# KiCad board BPS-Leader.kicad_pcb (continued)
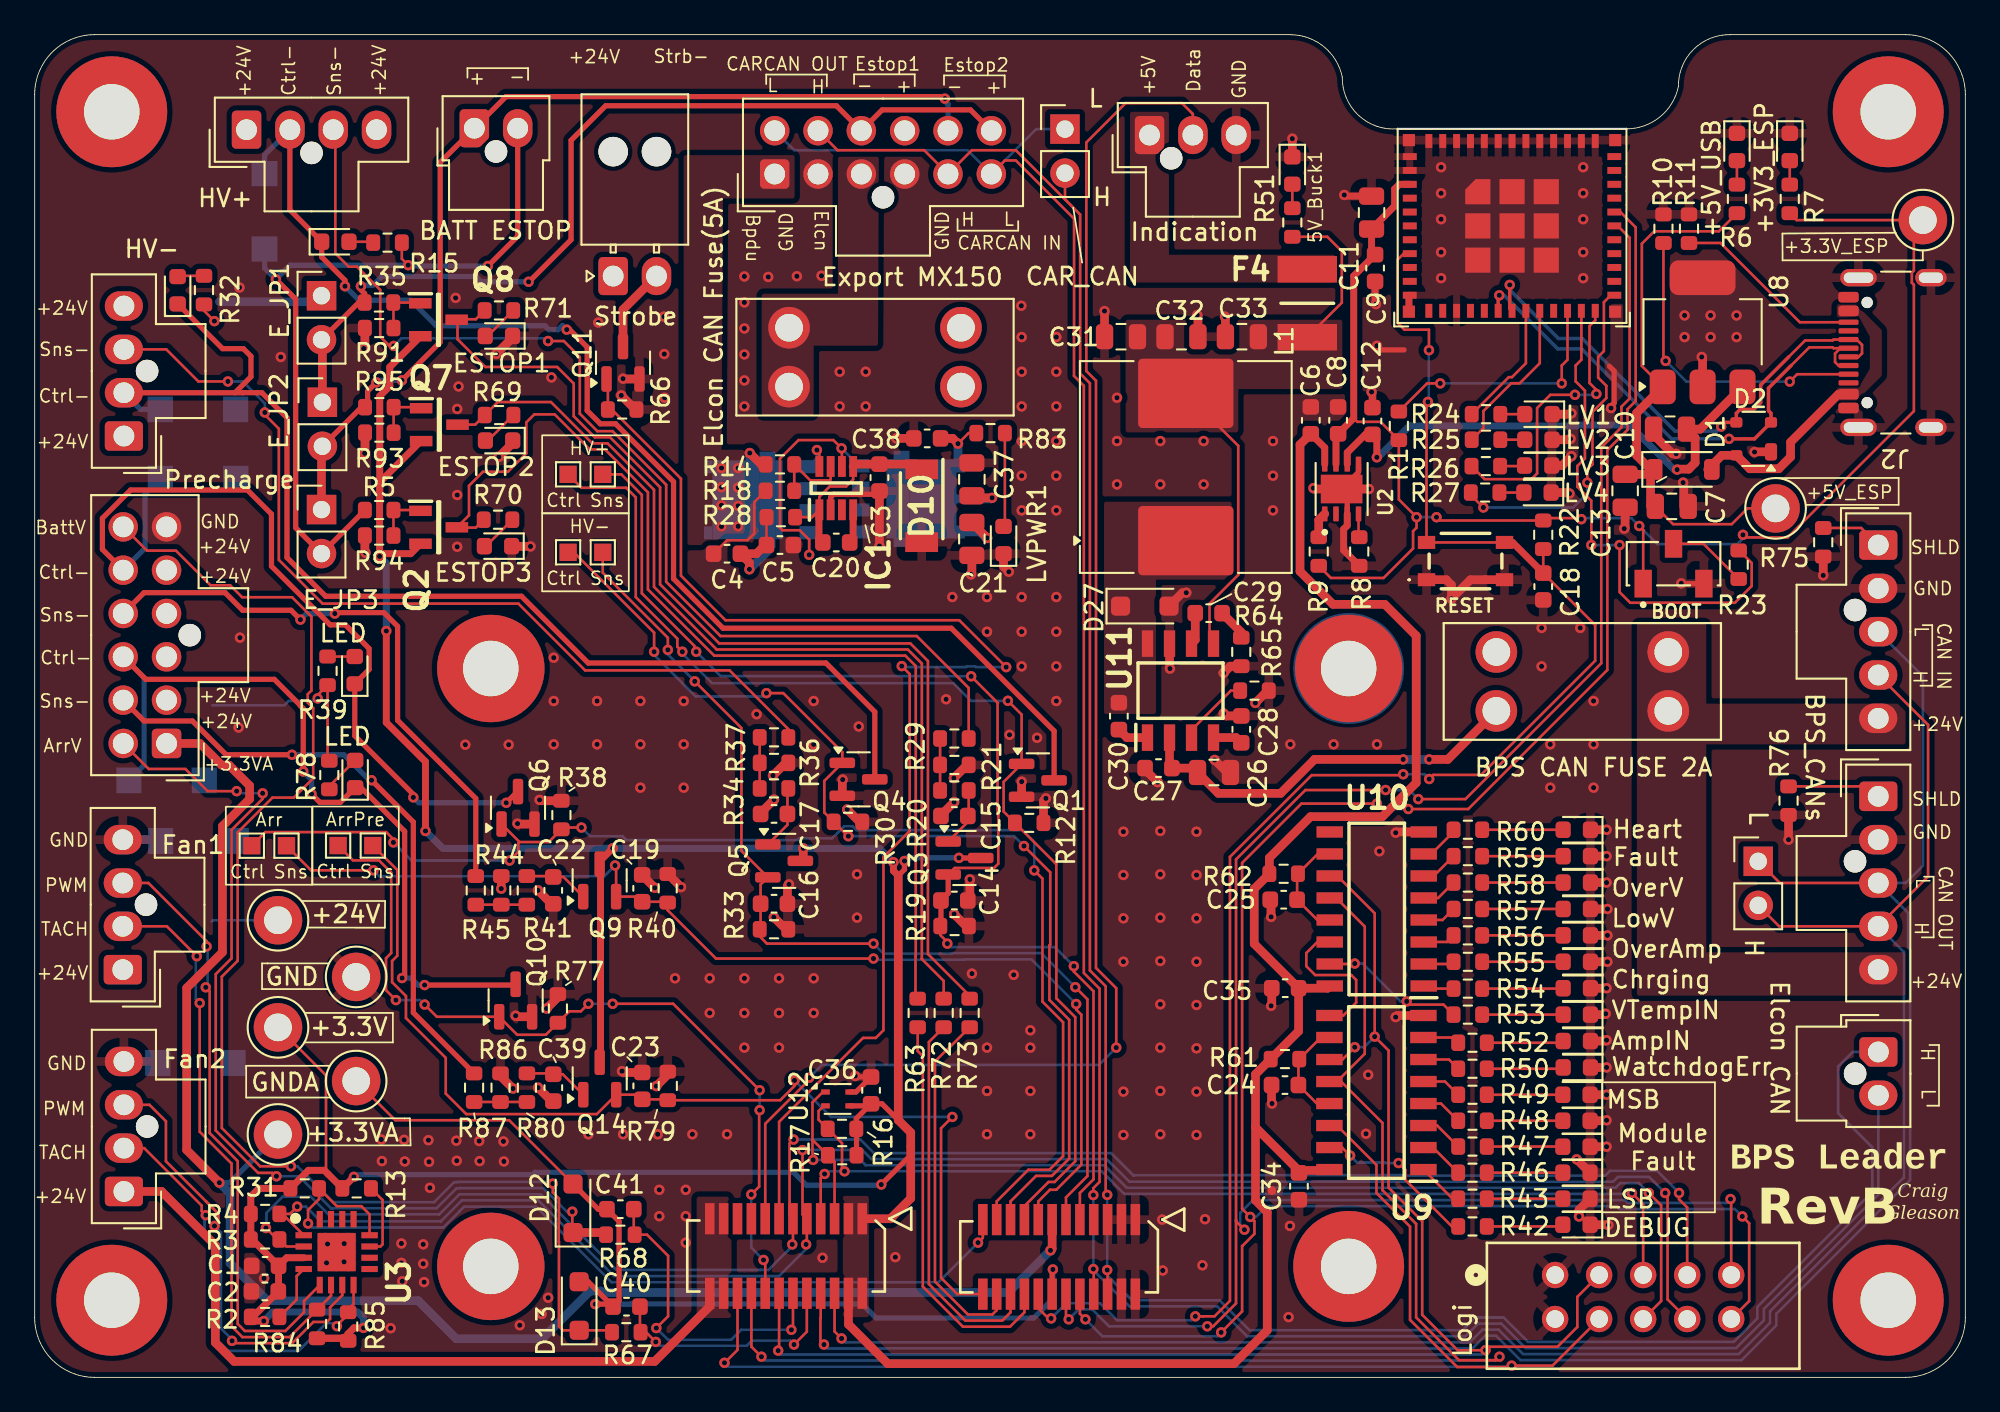
[diagram p0: board, top side]
## Routing (per net, layer and track width the routed paths; a pad name or vN(x,y) marks a point on that pad's centre or on a via; arc(x,y) is an arc through that point) (continued)
GNDA: length 57.6
  Top w0.15: TP5.1 20.81,14.84 27.38,14.84 D12.2
  Top w0.3: J1.38 58.71,6.18 v1(58.75,6.23) ; C40.1 31.94,5.52 D13.2 ; C40.1 33.72,4.42 33.72,9 C41.1 32.51,9.7 D12.2 ; C40.1 33.23,4.23 v1(32.35,4.23)
  Bottom w0.3: v1(32.35,4.23) 34.39,4.23 34.4,4.24 47.74,4.24 48.55,3.43 57.65,3.43 58.75,4.53 v1(58.75,6.23)
/ARRAY_CONTROL: length 74.6
  Top w0.15: J1.45 55.51,10.15 57.33,11.98 58.55,11.98 59.34,12.77 59.34,20.49 58.15,21.68 58.15,28.78 v1(57.68,29.25) ; 27.98,30.89 27.91,30.82 27.91,30.32 v1(27.4,29.82) ; 27.98,30.89 29.66,30.89 R38.2 30.5,31.73 v1(31.55,31.73) ; 27.98,30.89 Q6.1 ; TP13.1 13.32,31.46 20.29,31.46 20.7,31.05 v1(20.7,30.87)
  Bottom w0.15: v1(31.55,31.73) 32.05,31.23 33.93,31.23 34.15,31 44.01,31 44.11,31.1 46.01,31.1 46.71,31.8 47.19,31.8 47.41,31.58 56.98,31.58 57.68,30.88 v1(57.68,29.25) ; v1(20.7,30.87) 21.74,29.82 v1(27.4,29.82)
/ARRAY_CONTROL-: length 48
  Top w0.3: v1(21.85,33.47) 21.85,33.64 18.47,37.02 Array1.1 19.3,40.84 19.3,42.05 17.93,43.42 17.05,43.42 13.66,46.81 13.66,49.81 12.28,51.2 5.54,51.2 3.91,49.57 3.91,47.78 J11.11 ; v1(27.21,33.15) 27.86,33.8 Q6.3
  Bottom w0.3: J11.11 6.37,47.84 6.37,50.97 D8.2 ; v1(27.21,33.15) 22.16,33.15 v1(21.85,33.47)
/ARRAY_PRE_CONTROL: length 48.3
  Top w0.15: v1(22.5,21.51) 23.2,20.81 Q10.1 27.84,19.77 29.5,19.77 R77.2 30.85,21.12 31.52,21.12 v1(31.95,21.56) ; TP16.1 18.36,29.83 19.87,29.83 20.57,29.13 20.57,24.48 20.27,24.19 20.27,22.34 v1(20.84,21.77) ; v1(41.83,16.57) 36.84,21.56 v1(33.35,21.56) ; J1.16 42.15,6.67 v1(42.06,6.77) ; v1(41.35,10.55) 41.8,11 41.8,15.39 v1(41.83,15.42)
  Bottom w0.15: v1(41.83,15.42) v1(41.83,16.57) ; v1(42.06,6.77) 41.35,7.48 v1(41.35,10.55) ; v1(22.5,21.51) 22.24,21.77 v1(20.84,21.77) ; v1(31.95,21.56) v1(33.35,21.56)
/ARRAY_PRE_CONTROL-: length 47
  Top w0.3: v1(15.98,33.66) 16.46,33.18 17.64,33.18 ArrayPre1.1 18.83,34.03 21.35,31.51 21.35,23.19 v1(21.2,23.04) ; v1(22.5,22.64) 27.71,22.64 Q10.3 ; J11.9 6.41,40.28 13.83,40.28 15.33,38.78 15.33,38.76 15.5,38.59 v1(15.5,34.96)
  Bottom w0.3: D9.2 6.31,35.32 6.31,40.37 J11.9 ; v1(22.5,22.64) 22.12,22.64 21.72,23.04 v1(21.2,23.04) ; v1(15.98,33.66) 15.98,34.48 v1(15.5,34.96)
/ARRAY_PRE_SENSE: length 60.5
  Top w0.15: v1(43.84,17.13) 43.84,16.82 43.02,15.99 R79.1 36.48,16.04 C23.2 34.79,16.31 Q14.2 32.43,15.19 24.9,15.19 23.72,16.37 23.72,18.44 21.42,20.73 21.42,22 20.62,22.8 20.62,24.03 20.92,24.33 20.92,29.27 TP17.1 ; v1(52.95,15.03) 52.3,14.37 52.3,5.74 53.24,4.8 J1.48
  Bottom w0.15: v1(52.95,15.03) 45.95,15.03 v1(43.84,17.13)
/ARRAY_PRE_SENSE-: length 35.6
  Top w0.3: v1(14.85,35.93) 11.05,35.93 9.1,37.87 6.31,37.87 J11.8 ; R87.2 21.85,21.04 21.85,32.04 v1(19.44,34.45)
  Bottom w0.3: v1(14.85,35.93) 17.85,35.93 19.32,34.45 v1(19.44,34.45)
/ARRAY_SENSE: length 65
  Top w0.15: J1.39 57.91,10.15 58.58,10.83 58.95,10.83 60.39,12.27 60.39,20.93 60.09,21.22 v1(60.09,21.54) ; v1(48.4,24.17) 39.31,24.17 36.53,26.95 R40.1 36.48,27.44 C19.2 34.76,27.74 Q9.2 33.55,29.48 v1(33.49,29.54) ; v1(19.55,29.26) 15.95,29.26 TP14.1
  Bottom w0.15: v1(60.09,21.54) 57.51,24.12 53.72,24.12 53.69,24.1 48.47,24.1 v1(48.4,24.17) ; v1(33.49,29.54) 32.87,28.92 19.89,28.92 v1(19.55,29.26)
/ARRAY_SENSE-: length 33.7
  Top w0.3: v1(15.33,43.72) 14.79,44.26 12.01,44.26 10.99,45.28 6.31,45.28 J11.10 ; R45.2 25.45,33.4 20.94,37.91 20.94,43.33 20.15,44.12 17.38,44.12 v1(17.32,44.07)
  Bottom w0.3: v1(17.32,44.07) 15.68,44.07 v1(15.33,43.72)
/Array_Voltage: length 18.8
  Top w0.15: C41.2 34.57,8.28 R68.1 35.33,8.23 36.55,7.01 36.55,3.52 v1(35.87,2.84) ; v1(43.66,2.74) 43.75,2.84 J1.12
  Bottom w0.15: v1(43.66,2.74) 40.77,2.74 40.19,2.17 36.54,2.17 v1(35.87,2.84)
/Batt_Voltage: length 14.1
  Top w0.15: v1(35.84,2.04) 35.28,2.61 R67.1 34.92,2.64 C40.2 ; v1(43.81,1.89) 44.55,2.63 J1.10
  Bottom w0.15: v1(35.84,2.04) 36.06,1.82 41.08,1.82 41.38,2.12 43.59,2.12 v1(43.81,1.89)
/BBPDU_LV+: length 13.1
  Top w0.15: R28.1 42.23,48.21 42.28,48.16
  Top w0.5: R14.1 41.91,52.68 v1(41.26,53.34) ; 42.28,48.16 41.64,47.53 C4.1 41.24,47.01 v1(41.24,46.62)
  Bottom w0.5: v1(41.26,53.34) 41.26,51.43 Q13.7 ; v1(41.24,46.62) 42.28,47.67 Q13.8
  vias: v1(39.63,52.47) v1(39.63,51.37) v1(39.63,50.32) v1(39.63,49.09) v1(40.59,52.47) v1(40.59,51.34) v1(40.59,50.29) v1(40.59,49.11)
/BPS_CAN_H: length 109.1
  Top w0.15: TP2.2 100.66,26.03 J16.4 109.25,28.9 109.25,37.65 J15.4 ; J1.6 46.15,2.65 v1(46.56,2.24)
  Bottom w0.15: J16.4 107.86,24.54 107.86,11.53 100.13,3.8 100.13,3.14 98.33,1.34 85.88,1.34 84.47,2.75 83.54,2.75 82.81,2.02 46.78,2.02 v1(46.56,2.24)
/BPS_CAN_L: length 114.3
  Top w0.15: J16.3 100.7,28.53 TP2.1 ; J1.8 45.35,3.42 45.34,3.4 45.34,2.1 v1(45.54,1.89)
  Bottom w0.15: J15.3 108.95,40.45 108.95,29.53 107.95,28.53 J16.3 108.1,26.8 108.1,24.8 108.21,24.69 108.21,11.39 100.49,3.67 100.49,3.01 98.48,0.99 85.73,0.99 84.32,2.4 83.69,2.4 82.96,1.67 46.8,1.67 46.8,1.67 46.32,1.67 46.32,1.67 45.75,1.67 45.54,1.88 v1(45.54,1.89)
/CAR_CAN_H: length 144.7
  Top w0.15: TP3.2 59.45,67.97 59.92,67.5 ; 59.92,67.5 60.32,67.1 60.32,57.92 60.89,57.36 60.89,23.48 61.8,22.57 61.8,10.62 v1(61.89,10.53) ; 59.92,67.5 56.61,70.81 54.07,70.81 J5.5 51.33,70.81 46.33,70.81 J5.8 ; v1(61.88,6.19) 61.91,6.17 J1.30
  Bottom w0.15: J8.1 104.9,18.78 104.06,17.93 104.06,15.24 106.03,13.28 106.03,10.69 99.39,4.06 99.39,3.4 98.04,2.04 86.17,2.04 84.76,3.45 83.13,3.45 82.4,2.72 70.1,2.72 68.37,4.45 63.31,4.45 61.88,5.87 v1(61.88,6.19) 61.88,10.52 v1(61.89,10.53)
/CAR_CAN_L: length 146.3
  Top w0.15: J5.6 55.99,70.22 56.61,70.22 59.97,66.86 59.97,60.3 59.97,60.3 59.97,57.78 60.54,57.22 60.54,23.33 61.45,22.42 61.45,11.28 61.09,10.92 v1(61.09,10.52) ; J1.32 61.11,6.23 v1(61.09,6.25) ; J8.2 106.38,15.74
  Bottom w0.15: J8.2 106.38,10.55 99.78,3.95 99.78,3.29 98.18,1.69 86.03,1.69 84.61,3.1 83.28,3.1 82.55,2.37 69.95,2.37 68.22,4.1 63.17,4.1 61.09,6.18 v1(61.09,6.25) v1(61.09,10.52) ; J5.7 43.83,70.81 53.83,70.81 J5.6 57.79,72.03 TP3.1
/ESP/BOOT: length 29.4
  Top w0.15: v1(91.45,48.03) 91.45,45.31 92.06,44.7 98.11,44.7 99.07,45.66 99.07,46.99 98.35,47.71 R23.2 ; U1.23 89.24,58.72 88.91,58.39 88.91,57.47 89.45,56.93 89.45,53.03 89.01,52.59 89.01,51.39 89.82,50.58 89.82,49.89 89.82,49.89 v1(89.82,48.03)
  Bottom w0.15: v1(91.45,48.03) v1(89.82,48.03)
/ESP/CC1: length 18.1
  Top w0.15: v1(94.11,58.65) 93.98,58.78 R10.1 ; v1(101.27,57.46) 101.69,57.88 J2.A5
  Bottom w0.15: v1(94.11,58.65) 95.3,57.46 v1(101.27,57.46)
/ESP/CC2: length 11.1
  Top w0.15: R11.1 97.28,65.45 101.85,60.88 J2.B5
/ESP/LED1: length 7.4
  Top w0.15: R24.1 85.05,57.71 85.24,57.71 86.05,58.52 U1.19
/ESP/LED2: length 9.4
  Top w0.15: 86.85,61.54 86.85,58.52 85.69,57.36 85.2,57.36 83.59,55.76 83.59,54.78 R25.1
/ESP/LED3: length 16.9
  Top w0.15: U1.24 90.05,60.99 89.71,60.66 89.71,57.38 90.11,56.98 v1(90.11,56.74) ; v1(88.87,56.69) 87.45,56.69 86.69,55.93 86.69,52.16 86.36,51.83 83.66,51.83 R26.1
  Bottom w0.15: v1(88.87,56.69) 90.06,56.69 v1(90.11,56.74)
/ESP/LED4: length 20.1
  Top w0.15: R27.1 82.87,50.91 v1(83.59,50.19) ; v1(89.59,51.63) 89.59,52.38 89.89,52.68 89.89,55.71 90.69,56.51 90.69,57.21 90.21,57.69 90.21,58.89 90.54,59.22 90.54,62.04 90.95,62.44 U1.25
  Bottom w0.15: v1(83.59,50.19) 88.77,50.19 89.59,51.01 v1(89.59,51.63)
/ESP/USB_D+: length 30.1
  Top w0.15: J2.A6 105.23,58.88 105.44,59.08 105.44,59.57 105.13,59.88 J2.B6 103.8,59.88 103.75,59.83 102.16,59.83 101.21,58.88
  Top w0.2: v1(85.11,63.04) 85.11,61.67 U1.18 ; v1(97.31,54.86) 97.55,55.1 D2.3 98.19,55.63 98.41,55.85 99.2,55.85 99.59,56.25 99.59,57.26 101.21,58.88
  Bottom w0.2: v1(97.31,54.86) 97.05,54.6 94.63,54.6 89.3,59.94 87.92,59.94 85.11,62.75 v1(85.11,63.04)
/ESP/USB_D-: length 30.3
  Top w0.15: J2.B7 104.08,58.38 103.88,58.58 103.88,59.07 104.19,59.38 J2.A7 103.8,59.38 103.75,59.43 102.4,59.43 101.35,58.38
  Top w0.2: 101.35,58.38 100.04,57.08 100.04,55.77 100.19,55.63 D2.2 99.24,54.15 v1(97.76,54.15) ; v1(84.51,62.43) 84.45,62.37 84.45,61.54
  Bottom w0.2: v1(84.51,62.43) 84.79,62.43 87.89,59.34 89.26,59.34 94.45,54.15 v1(97.76,54.15)
/ESP_RESET: length 98.9
  Top w0.15: v1(66.97,3.52) 67.42,3.52 68.08,3.52 68.97,4.41 68.97,30.03 73.69,34.75 78.91,34.75 v1(78.96,34.8) ; v1(80.46,34.53) 80.7,34.76 83.45,34.76 90.04,41.35 90.04,43.41 C18.1 R22.2 ; v1(80.39,56.29) 80.31,56.21 SW1.3 SW1.4 ; v1(80.45,59.27) 80.45,60.45 79.03,60.45 78.64,60.84 78.64,64.49 78.99,64.84 79.35,64.84 ; v1(58.65,3.4) 58.5,3.4 57.91,3.99 J1.40
  Top w0.4: SW1.4 85.28,48.18 C18.1
  Bottom w0.15: v1(58.65,3.4) 59.52,4.27 61.47,4.27 62.45,3.3 66.75,3.3 v1(66.97,3.52) ; v1(80.39,56.29) 80.44,56.34 80.44,59.26 v1(80.45,59.27) ; v1(78.96,34.8) 80.19,34.8 v1(80.46,34.53)
/ESP_UART_RX: length 125.6
  Top w0.15: J21.9 97.89,10.25 v1(97.85,10.29) ; v1(69.8,8.52) 69.32,9 69.32,9.09 ; 69.32,9.09 69.32,4.27 68,2.95 v1(67.66,2.95) ; 69.32,9.09 69.32,29.88 73.32,33.89 v1(77.95,33.89) ; U1.30 91.35,66.44 92.03,65.76 92.03,56.48 91.56,56.01 91.56,54.82 90.39,53.65 90.39,41.2 82.56,33.37 v1(79.84,33.37) ; v1(59.66,3.35) 59.51,3.5 J1.36
  Bottom w0.15: v1(69.8,8.52) 69.56,8.76 69.56,9.49 70.3,10.23 83.67,10.23 83.68,10.23 83.69,10.23 91.76,10.23 91.92,10.06 97.63,10.06 v1(97.85,10.29) ; v1(67.66,2.95) 61.99,2.95 61.01,3.92 60.24,3.92 v1(59.66,3.35) ; v1(77.95,33.89) 79.31,33.89 v1(79.84,33.37)
/ESP_UART_TX: length 127.3
  Top w0.15: v1(79.26,32.79) 82.72,32.79 90.74,40.82 90.74,53.51 91.91,54.67 91.91,55.86 92.38,56.33 92.38,66.36 91.5,67.24 U1.31 ; v1(98.53,9.29) 98.93,8.89 98.93,4.4 J21.10 ; v1(77.45,33.1) 73.09,33.1 69.67,29.69 69.67,9.73 v1(70.14,9.26) 70.38,9.02 70.38,8.28 69.67,7.58 69.67,7.58 69.67,3.8 v1(68.46,2.59) ; J1.34 60.31,3.67 v1(60.63,3.35)
  Bottom w0.15: v1(77.45,33.1) 77.76,32.79 v1(79.26,32.79) ; v1(60.63,3.35) 61.61,2.37 68.24,2.37 v1(68.46,2.59) ; v1(70.14,9.26) 70.48,9.26 71.1,9.88 91.29,9.88 91.46,9.71 98.1,9.71 v1(98.53,9.29)
/ESTOP_1-/2+: length 53.9
  Top w0.3: E_JP1.2 18.7,62.02 R35.2 19.04,62.54 18.83,62.75 v1(18.83,62.96) ; v1(28.5,63.22) 28.52,63.22 30.95,65.64 30.95,71.38 32.95,73.38 46.26,73.38 J5.9 48.9,73.13 54,73.13 J5.12
  Top w0.5: E_JP2.1 16.6,59.82 E_JP1.2
  Bottom w0.3: v1(28.5,63.22) 25.78,63.22 25.47,63.52 20.03,63.52 19.52,63.02 18.88,63.02 v1(18.83,62.96)
/ESTOP_1_SENSE: length 20.9
  Top w0.15: R73.2 52.58,18.83 52.55,18.83 51.95,18.23 51.95,5.53 53.85,3.63 55.26,3.63 55.51,3.87 J1.46
/ESTOP_2-: length 56.6
  Top w0.3: E_JP2.2 18.86,55.98 R95.2 19.08,56 19.08,56.09 19.21,56.22 19.21,56.9 v1(19.72,57.41) ; 52.38,73.78 v1(52.52,73.78) 52.4,73.9 27.2,73.9 J10.1 23.4,70.1 23.4,59.73 v1(21.19,57.53)
  Top w0.5: E_JP3.1 16.55,53.67 E_JP2.2
  Bottom w0.3: v1(21.19,57.53) 19.83,57.53 v1(19.72,57.41) ; J5.11 52.7,73.47 52.52,73.65 v1(52.52,73.78)
/ESTOP_2_SENSE: length 22
  Top w0.15: J1.44 56.31,3.75 55.83,3.27 53.7,3.27 51.6,5.38 51.6,19.35 R72.2
/ESTOP_3_SENSE: length 23.3
  Top w0.15: J1.42 57.11,3.75 56.28,2.92 53.56,2.92 51.25,5.24 51.25,18.53 50.95,18.83 R63.2
/ESTOP_OUT: length 45.2
  Top w0.15: v1(21.55,64.17) 21.19,64.54 R15.2
  Top w0.3: J10.2 27.87,65.84 v1(26.15,64.12) ; R5.2 19.05,50.03 16.55,47.53 15.06,49.02 15.06,62.22 v1(13.92,63.36)
  Bottom w0.3: v1(21.55,64.17) 14.74,64.17 v1(13.92,63.36) 13.27,64.01 D5.1 ; v1(26.15,64.12) 21.6,64.12
  Bottom w0.5: 21.6,64.12 v1(21.55,64.17)
/Fan Controller/ADDRESS_PULLUP: length 3.3
  Top w0.15: R2.2 15.12,4.48 15.12,5.84 15.53,6.25
/Fan Controller/CLK_PULLUP: length 4.3
  Top w0.15: U3.11 19.95,7.55 20.08,7.68 20.08,10.23 R13.2
/Fan Controller/FAN_1_PWM: length 35.5
  Top w0.15: U3.5 16.45,5.32 15.54,4.41 15.54,3.75 14.46,2.68 12.13,2.68 11.71,3.09 11.71,12.48 10.1,14.1 10.1,22.28 v1(9.87,22.51) ; v1(9.92,24.86) 9.92,25.16 6.56,28.53 FAN1.3
  Bottom w0.15: v1(9.87,22.51) 9.98,22.61 9.98,24.81 v1(9.92,24.86)
/Fan Controller/FAN_1_TACH: length 34.8
  Top w0.15: U3.6 17.1,4.71 R84.2 14.71,2.32 11.99,2.32 11.36,2.94 11.36,12.33 9.52,14.17 v1(9.52,21.59) ; FAN1.2 7.63,26.03 v1(9.36,24.3)
  Bottom w0.15: v1(9.52,21.59) 9.3,21.82 9.3,24.24 v1(9.36,24.3)
/Fan Controller/FAN_2_PWM: length 26.8
  Top w0.15: FAN2.3 6.63,15.73 7.57,14.78 7.57,12.47 9.88,10.16 ; 10.6,9.44 9.88,10.16 ; 10.6,9.44 9.88,10.16 ; 10.6,9.44 10.6,8.96 v1(10.38,8.74) ; U3.7 17.75,4.74 17.04,4.03 17.04,3.37 16.87,3.2 16.08,3.2 15.13,2.25 15.13,2.25 14.86,1.97 11.52,1.97 v1(11.39,2.11)
  Bottom w0.15: v1(10.38,8.74) 10.75,8.36 10.75,2.83 11.39,2.19 v1(11.39,2.11)
/Fan Controller/FAN_2_TACH: length 24.7
  Top w0.15: v1(9.87,9.36) 9.64,9.59 9.64,9.91 6.32,13.23 FAN2.2 ; U3.8 18.4,4.23 18.07,3.9 18.07,3.63 17.44,3 v1(17.44,2.95)
  Bottom w0.15: v1(17.44,2.95) 17.28,3.12 16.82,3.12 15.23,1.53 11.15,1.53 10.4,2.28 10.4,7.9 9.8,8.5 9.8,9.29 v1(9.87,9.36)
/FAN_ALERT: length 50.5
  Top w0.15: J1.47 54.71,8.05 v1(54.43,7.77) ; U3.12 19.33,9.4 18.85,9.88 17.43,9.88 R31.2 16.41,10.28 15.77,9.65 v1(15.77,8.88)
  Bottom w0.15: v1(15.77,8.88) 16,8.65 23.59,8.65 24.52,9.58 24.52,9.59 24.79,9.86 28.92,9.86 33.29,5.49 52.15,5.49 v1(54.43,7.77)
/FAN_SCL: length 101.4
  Top w0.15: v1(94.88,10.64) 94.88,10.28 95.35,9.81 J21.7 ; v1(13.35,8.62) 14.01,7.96 R3.2 14.53,7.55 15.53,7.55 ; v1(43.79,13.72) 43.56,13.49 43.56,9.35 J1.11 43.75,7.71 v1(43.71,7.67)
  Bottom w0.15: v1(13.35,8.62) 13.38,8.65 13.38,9.49 14.31,10.43 15.93,10.43 16.95,9.41 23.34,9.41 24.5,10.56 29.08,10.56 29.08,10.56 29.21,10.56 30.44,9.32 30.44,9.32 30.78,8.98 30.78,8.98 33.57,6.2 41.39,6.2 41.39,6.2 41.87,6.2 41.87,6.2 42.34,6.2 43.71,7.57 v1(43.71,7.67) ; v1(43.79,13.72) 47.64,13.72 48.43,12.94 62.11,12.94 63.41,11.64 63.44,11.67 79.07,11.67 79.1,11.64 90.62,11.64 90.9,11.92 93.62,11.92 94.88,10.65 v1(94.88,10.64)
/FAN_SDA: length 100.5
  Top w0.15: J21.8 94.22,4.5 94.22,10.5 v1(94.08,10.64) ; v1(44.3,13.11) 44.3,9.4 J1.9 44.55,7.71 v1(44.51,7.67) ; 15.53,8.2 14.3,9.43 R4.2 14.73,9.43 v1(15.15,9.85)
  Bottom w0.15: v1(44.51,7.67) 44.51,7.4 42.95,5.84 33.43,5.84 29.06,10.21 28.93,10.21 28.93,10.21 24.64,10.21 23.44,9.01 23.44,9 16.5,9 15.65,9.85 v1(15.15,9.85) ; v1(94.08,10.64) 93.15,11.56 91.35,11.56 91.07,11.29 76.56,11.29 76.53,11.32 76.5,11.29 63.16,11.29 61.86,12.59 48.28,12.59 47.75,13.12 44.31,13.12 v1(44.3,13.11)
/HTSense_SCL: length 59.5
  Top w0.15: v1(46.73,11.89) 46.58,12.03 46.58,13.51 R16.2 45.23,14.87 45.23,15.37 45.53,15.67 U12.2 ; J21.5 92.81,9.99 v1(92.16,10.64) ; v1(45.58,11.74) 45.35,11.51 J1.7
  Bottom w0.15: v1(45.58,11.74) 45.73,11.89 v1(46.73,11.89) 61.57,11.89 62.87,10.59 71.99,10.59 72,10.58 78.2,10.58 78.21,10.59 92.11,10.59 v1(92.16,10.64)
/HTSense_SDA: length 66.7
  Top w0.15: 44.88,13.71 44.88,15.87 45.48,16.47 U12.1 ; 44.88,13.71 R17.2 46.15,12.43 J1.5 ; 44.88,13.71 44.88,12.59 v1(44.92,12.55) ; J21.6 93.85,4.4 93.85,9.93 v1(93.14,10.64)
  Bottom w0.15: v1(44.92,12.55) 47.64,12.55 47.95,12.24 61.71,12.24 63.02,10.94 69.28,10.94 69.28,10.94 91.22,10.94 91.5,11.21 92.56,11.21 v1(93.14,10.64)
/HV+ Contactor/HV+_CONTROL-: length 73.5
  Top w0.3: J6.2 14.73,67.36 D32.1 16.56,64.65 17.91,63.3 v1(17.91,62.96) ; v1(30.7,60.46) 30.87,60.46 31.88,59.45 31.88,55.78 32.64,55.02 33.52,55.02 36.86,51.68 36.86,46.08 39.72,43.23 52.89,43.23 58.82,37.3 Q1.3
  Bottom w0.3: D5.2 13.27,70.53 J6.2 ; v1(30.7,60.46) 30.46,60.7 30.21,60.45 29.67,60.45 29.45,60.68 23.17,60.68 21.7,62.15 18.71,62.15 v1(17.91,62.96)
/HV+_CONTROL: length 68.3
  Top w0.15: v1(37.37,41.87) 37.08,42.16 37.08,42.62 34.68,45.02 34.68,50.78 34.13,51.33 34.12,51.33 31.56,51.33 TP4.1 ; v1(56.16,39.04) 56.95,38.24 Q1.1 55.91,34.36 55.91,32.65 R12.2 58.93,29.62 58.95,29.62 58.95,21.87 60.04,20.78 60.04,12.47 58.85,11.27 58.5,11.27 57.11,9.88 J1.41
  Bottom w0.15: v1(37.37,41.87) 37.37,41.76 39.08,40.06 53,40.06 54.02,39.04 v1(56.16,39.04)
/HV+_SENSE: length 71.8
  Top w0.15: TP7.1 33.85,52.11 35.03,50.92 35.03,45.24 38.06,42.22 38.06,41.98 v1(38.17,41.87) ; v1(54.04,40.45) 55.58,38.91 55.56,38.89 55.56,32.5 55.6,32.46 55.6,29.64 55.36,29.39 53.09,29.39 Q3.2 ; v1(52.66,25.03) 52.66,25.11 52.25,25.52 R19.1 ; J1.33 60.31,10.64 61.1,11.43 61.1,22.28 59.96,23.41 v1(59.96,23.73)
  Top w0.3: R19.1 52.29,26.08 C14.2 52.71,27.93 Q3.2
  Bottom w0.15: v1(54.04,40.45) 52.02,40.45 52.01,40.46 39.58,40.46 v1(38.17,41.87) ; v1(59.96,23.73) 58.86,24.83 52.86,24.83 v1(52.66,25.03)
/HV- Contactor/HV-_CONTROL-: length 70
  Top w0.3: 11.56,56.82 12.48,57.74 12.48,58.92 12.04,59.36 10.84,59.36 8.25,61.95 ; 11.56,56.82 12.01,56.82 12.01,56.82 12.85,56.82 12.85,56.82 13.11,56.82 14.56,55.37 14.56,47.3 16.79,45.07 28.09,45.07 31.94,41.22 45.66,41.22 48.48,38.4 Q4.3 ; 11.56,56.82 J9.2
  Bottom w0.3: J9.2 6.11,55.86 D6.2
/HV-_CONTROL: length 62.4
  Top w0.15: v1(35.74,41.87) 35.74,42.97 31.11,47.61 TP9.1 ; v1(57.08,30.66) 58.6,29.14 58.6,24.97 58.55,24.93 58.55,21.78 59.69,20.63 59.69,12.62 58.7,11.63 57.78,11.63 56.31,10.15 J1.43 ; v1(42.22,39.48) 43.2,39.48 46.6,36.07 Q4.1 45.56,34.42 45.56,32.59 R30.2 46.93,31.23 v1(46.95,31.23)
  Bottom w0.15: v1(46.95,31.23) 56.52,31.23 v1(57.08,30.66) ; v1(42.22,39.48) 42.03,39.29 38.14,39.29 35.74,41.69 v1(35.74,41.87)
/HV-_SENSE: length 60
  Top w0.15: J1.35 59.51,10.38 60.74,11.62 60.74,21.81 v1(60.05,22.51) ; v1(48.4,25.03) 42.25,25.03 41.84,25.44 R33.1 41.89,25.9 C16.2 41.89,28.43 Q5.2 40.78,30.38 40.78,37.47 v1(38.09,40.16) ; TP11.1 32.78,46.43 36.53,42.67 v1(36.53,41.98)
  Bottom w0.15: v1(38.09,40.16) 36.53,41.71 v1(36.53,41.98) ; v1(48.4,25.03) 48.98,24.45 52.9,24.45 52.92,24.47 58.09,24.47 v1(60.05,22.51)
/Indication Board Connection/ROSC: length 4.2
  Top w0.15: R65.1 69.02,39.62 66.75,37.35 U11.3
/INDICATION_BOARD_CONNECTION: length 89.1
  Top w0.15: v1(44.69,17.29) 44.69,17.16 42.15,14.63 J1.15 ; v1(62.41,19.03) 62.41,22.45 61.24,23.62 61.24,57.51 60.68,58.07 60.68,71.25 62.95,73.53 66.2,73.53 66.83,72.9 J18.2
  Bottom w0.15: v1(44.69,17.29) 45.42,18.03 61.41,18.03 v1(62.41,19.03)
/LED_RCLK: length 81.5
  Top w0.15: v1(84.52,1.19) 84.32,0.99 82.18,0.99 79.71,3.46 79.71,8.85 77.77,10.79 77.77,14.68 75.38,17.07 U9.12 75.14,17.07 76.74,18.67 76.74,26.01 75.1,27.66 74.73,27.66 ; v1(41.93,1.19) 41.35,1.77 J1.18
  Bottom w0.15: 84.3,0.97 84.21,0.97 ; 84.21,0.97 84.3,0.97 v1(84.52,1.19) ; 84.21,0.97 42.16,0.97 v1(41.93,1.19)
/LED_SER: length 76.4
  Top w0.15: v1(39.8,0.84) 39.81,0.84 40.55,1.58 J1.20 ; U9.14 75.14,14.53 77.42,12.25 77.42,10.64 79.36,8.7 79.36,3.32 82.08,0.59 85.14,0.59 v1(85.22,0.68) 87.58,0.68 J21.4
  Bottom w0.15: v1(85.22,0.68) 85.16,0.62 40.03,0.62 v1(39.8,0.84)
/LED_SRCLK: length 89.3
  Top w0.15: 74.73,28.93 75.16,28.93 77.32,26.78 v1(77.32,19.66) 78.12,18.86 78.12,10.94 80.06,9 80.06,3.61 82.1,1.57 v1(83.71,1.57) 83.91,1.77 87.87,1.77 89.01,2.91 89.01,4.65 J21.3 ; U9.11 75.46,18.34 v1(76.17,19.05) ; v1(42.9,1.54) 42.95,1.6 J1.14
  Bottom w0.15: v1(77.32,19.66) 76.71,19.05 v1(76.17,19.05) ; v1(42.9,1.54) 42.9,1.37 42.96,1.32 83.48,1.32 83.48,1.34 v1(83.71,1.57)
/POWER/RPP_EN: length 11.6
  Top w0.15: R28.2 44.85,49.63 IC1.1 45.28,50.81 45.87,51.4 46.82,51.4 47.23,51.81 IC1.5
  Top w0.4: C20.1 45.25,48.4 45.25,50.06
  Top w0.5: 51.18,52.32 50.8,52.69 C3.2 47.36,52.69 IC1.5
/STROBE_CONN_3.3V: length 75.9
  Top w0.15: Q11.1 33.07,57.53 R66.1 33.3,55.85 37.29,51.86 37.29,46.26 39.86,43.69 53.35,43.69 v1(56.06,40.98) ; J1.13 42.95,14.74 47.8,19.59 48.53,19.59 48.97,20.02 48.97,30.01 50.49,31.52 50.49,40.58 v1(50.03,41.04)
  Bottom w0.15: v1(56.06,40.98) 54.32,40.98 54.27,41.03 53.8,41.03 53.75,40.98 50.09,40.98 v1(50.03,41.04)
Net-(5V_Buck1-A): length 1.4
  Top w0.15: R51.2 5V_Buck1.2
Net-(Array1-A): length 1.6
  Top w0.15: Array1.2 18.47,41.59 R39.1
Net-(ArrayPre1-A): length 2.3
  Top w0.15: R78.1 17,34.11 ArrayPre1.2
Net-(C29-Pad2): length 1.9
  Top w0.5: R64.1 69.62,42.99 C29.2
Net-(D3-A): length 1.4
  Top w0.15: R6.2 D3.2
Net-(D11-A): length 1.4
  Top w0.15: R7.2 D11.2
Net-(D12-K): length 56.6
  Top w0.15: v1(13.16,33.7) 13.16,33.38 11.36,31.59 11.36,24.18 10.45,23.26 10.45,14.24 12.89,11.8 13.71,11.8 13.91,11.6 v1(13.95,11.6) ; v1(11.65,33.82) 9.98,33.82 8.7,35.1 6.58,35.1 J11.7 ; D12.1 31.02,8.4 v1(31.02,9.56)
  Top w0.5: R68.2 32.84,8.35 D12.1
  Bottom w0.15: 17.09,9.76 17.2,9.76 ; 17.09,9.76 17.2,9.76 ; 17.09,9.76 15.25,11.6 v1(13.95,11.6) ; 17.2,9.76 23.2,9.76 24.35,10.91 24.55,10.91 24.56,10.92 29.34,10.92 30.7,9.56 v1(31.02,9.56) ; v1(13.16,33.7) 11.78,33.7 v1(11.65,33.82)
Net-(D13-K): length 78.6
  Top w0.15: v1(14.79,12.18) 13.01,12.18 10.8,14.39 10.8,23.12 11.71,24.03 11.71,31.45 13.72,33.45 14.95,33.45 16.07,34.57 16.07,38.62 15.75,38.94 15.75,39.41 15.97,39.63 15.97,43.9 14.85,45.02 11.97,45.02 11.28,45.7 10.15,45.7 8.15,47.7 6.48,47.7 J11.12 ; v1(29.9,11.18) 29.9,10.67 30.25,10.31 30.25,8.89 30.24,8.88 30.24,7.83 30.25,7.82 30.25,2.95 30.48,2.72 D13.1 33.2,2.72 R67.2
  Bottom w0.15: v1(14.79,12.18) 15.17,12.18 17.24,10.11 23.05,10.11 24.21,11.26 24.41,11.26 24.42,11.27 29.8,11.27 v1(29.9,11.18)
Net-(D14-A): length 4.4
  Top w0.15: D14.2 88.08,8.71 R42.2
Net-(D15-A): length 4.4
  Top w0.15: R43.2 D15.2
Net-(D16-A): length 4.4
  Top w0.15: R46.2 D16.2
Net-(D17-A): length 4.4
  Top w0.15: D17.2 88.16,13.32 R47.2
Net-(D18-A): length 4.4
  Top w0.15: R48.2 D18.2
Net-(D19-A): length 4.4
  Top w0.15: R49.2 D19.2
Net-(D20-A): length 4.4
  Top w0.15: R50.2 88.12,17.81 D20.2
Net-(D21-A): length 4.4
  Top w0.15: D21.2 88.1,19.31 R52.2
Net-(D22-A): length 4.7
  Top w0.15: R53.2 D22.2
Net-(D23-A): length 4.7
  Top w0.15: D23.2 88.17,22.43 R54.2
Net-(D24-A): length 4.7
  Top w0.15: R55.2 D24.2
Net-(D25-A): length 4.7
  Top w0.15: R56.2 D25.2
Net-(D26-A): length 4.7
  Top w0.15: R57.2 D26.2
Net-(D28-A): length 4.7
  Top w0.15: R59.2 D28.2
Net-(D29-A): length 4.7
  Top w0.15: R60.2 D29.2
Net-(D30-A): length 4.7
  Top w0.15: R58.2 D30.2
Net-(D31-A): length 1.5
  Top w0.15: R32.1 8.29,63.56 8.25,63.52
Net-(D32-A): length 1.4
  Top w0.15: D32.2 19.48,65.53 R15.1
Net-(ESTOP1-A): length 2.2
  Top w0.15: R71.2 26.14,60.09 ESTOP1.2
Net-(ESTOP2-A): length 2.2
  Top w0.15: R69.2 26.15,54.05 ESTOP2.2
Net-(ESTOP3-A): length 2.2
  Top w0.15: R70.2 26.04,47.96 ESTOP3.2
Net-(IC1-GATE): length 14.9
  Top w0.15: IC1.6 46.58,53.59 v1(46.56,53.61) 46.08,54.08 44.07,54.08 43,53.01 43,49.03 43.15,48.88 44.15,48.88 44.69,48.34 v1(44.69,47.46)
  Bottom w0.15: Q12.4 47.57,52.59 v1(46.56,53.61) ; Q13.4 44.69,48.67 v1(44.69,47.46)
Net-(IC1-OV): length 4.8
  Top w0.15: R18.1 R14.2 44.75,51.76 45.87,51.76 45.93,51.81 IC1.7
Net-(IC1-SRC): length 2.2
  Top w0.15: IC1.8 45.28,53.36 v1(45.14,53.51)
  Bottom w0.15: v1(45.14,53.51) 45.14,53.05 Q13.1
Net-(IC1-VCAP): length 2
  Top w0.4: IC1.4 47.23,48.37 C20.2
Net-(J3-Pin_2): length 4.9
  Top w0.5: Q11.3 33.95,61.61 J3.2
Net-(J6-Sense-): length 64.2
  Top w0.15: v1(29.62,59.8) 30.53,59.8 31.45,58.88 31.45,55.6 32.46,54.59 33.35,54.59 36.44,51.5 36.44,45.9 39.57,42.77 50.9,42.77 53.89,39.78 R29.2 ; J6.3 17.35,71.87 17.35,64.86 18.12,64.09 18.6,64.09 19.94,62.75 19.94,60.05 20.47,59.51 v1(20.72,59.51)
  Bottom w0.15: v1(20.72,59.51) 21.16,59.95 29.47,59.95 v1(29.62,59.8)
Net-(J9-Sense-): length 52.7
  Top w0.15: J9.3 7.6,59.32 9.45,57.47 v1(11.15,57.47) ; v1(13.28,55.68) 13.28,55.55 14.09,54.74 14.09,47.17 16.61,44.65 27.91,44.65 31.76,40.79 40.1,40.79 43.49,37.4 R37.2
  Bottom w0.15: v1(13.28,55.68) 13.28,56.19 12.01,57.47 v1(11.15,57.47)
Net-(J15-Pin_1): length 3.6
  Top w0.15: J15.1 105.39,49.01 R75.2
Net-(J16-Pin_1): length 5.4
  Top w0.15: J16.1 105.8,34.1 R76.2
Net-(LV1-A): length 1.4
  Top w0.15: LV1.2 R24.2
Net-(LV2-A): length 1.4
  Top w0.15: R25.2 LV2.2
Net-(LV3-A): length 1.4
  Top w0.15: LV3.2 85.93,52.58 R26.2
Net-(LV4-A): length 1.4
  Top w0.15: R27.2 LV4.2
Net-(LVPWR1-A): length 5.4
  Top w0.15: LVPWR1.2 55.98,49.17 R83.2
Net-(Q2-D): length 61.5
  Top w0.15: R63.1 50.82,21.98 50.82,24.3 50.84,24.31 50.84,41.04 50.24,41.65 39.21,41.65 35.39,45.47 35.39,51.07 32.91,53.54 32.03,53.54 30.01,55.56 28.83,55.56 28.37,55.11 28.37,53.32 27.31,52.26 25.87,52.26 25.06,51.45 25.06,49.74 24.35,49.03 25.45,49.03 R70.1
Net-(Q2-G): length 3
  Top w0.15: R94.2 R5.1 22.18,50.04 22.25,49.98
Net-(Q3-G): length 3.4
  Top w0.15: Q3.1 53.84,32.05 C15.2 53.89,32.44 R20.1
Net-(Q5-G): length 3.7
  Top w0.15: Q5.1 43.44,31.88 C17.2 43.44,33.93 R34.1
Net-(Q7-D): length 56.7
  Top w0.15: R72.1 52.45,22.88 51.18,24.15 51.19,24.17 51.19,41.19 50.38,42 39.35,42 35.74,45.61 35.74,51.21 33.05,53.89 32.17,53.89 29.79,56.28 26.72,56.28 R69.1 25.42,54.97 24.38,54.97
Net-(Q7-G): length 3.1
  Top w0.15: R93.2 R95.1 22.22,55.98 22.28,55.92
Net-(Q8-D): length 62.6
  Top w0.15: R71.1 25.45,61.05 24.4,61.05 24.4,59.9 26,58.3 30.15,58.3 31.1,57.35 31.1,55.46 32.32,54.24 33.2,54.24 36.09,51.36 36.09,45.76 39.5,42.35 50.53,42.35 51.54,41.33 51.54,24.43 53.95,22.02 R73.1
Net-(Q8-G): length 3.1
  Top w0.15: R91.2 20.7,62.01 R35.1 22.28,62.02 22.3,62
Net-(Q9-G): length 3.7
  Top w0.15: R41.1 29.87,28.92 C22.2 30.51,28.87 Q9.1
Net-(Q14-G): length 3.8
  Top w0.15: Q14.1 30.47,17.49 C39.2 29.88,17.54 R80.1
Net-(R20-Pad2): length 3
  Top w0.15: R29.1 R21.2 R20.2
Net-(R34-Pad2): length 2.9
  Top w0.15: R34.2 R36.2 R37.1
Net-(R41-Pad2): length 2.9
  Top w0.15: R41.2 R44.2 R45.1
Net-(R80-Pad2): length 3
  Top w0.15: R87.1 R86.2 R80.2
Net-(SW2-B): length 4.6
  Top w0.15: R23.1 96.29,48.1 SW2.2
Net-(U1-GPIO8): length 14.4
  Top w0.15: 88.45,61.54 88.45,58.72 88.11,58.38 v1(88.11,57.35) ; R1.2 80.34,57.35 v1(81.1,57.35)
  Bottom w0.15: v1(81.1,57.35) v1(88.11,57.35)
Net-(U2-ILIM): length 1.4
  Top w0.15: U2.4 76.39,48.52 R8.1
Net-(U2-STAT): length 1.5
  Top w0.5: R9.2 74.09,49.48 U2.1
Net-(U9-QA): length 9.7
  Top w0.15: v1(78.7,12.37) 79.09,11.97 79.09,11.39 81.77,8.71 R42.1 ; v1(75.9,12.8) 75.44,13.26 U9.15
  Bottom w0.15: v1(78.7,12.37) 77.93,12.37 77.89,12.4 76.3,12.4 v1(75.9,12.8)
Net-(U9-QB): length 2.7
  Top w0.15: R43.1 81.81,10.31 U9.1
Net-(U9-QC): length 2.6
  Top w0.15: U9.2 80.69,13.26 R46.1
Net-(U9-QD): length 2.5
  Top w0.15: R47.1 80.92,14.53 U9.3
Net-(U9-QE): length 2.4
  Top w0.15: U9.4 81.14,15.8 R48.1
Net-(U9-QF): length 2.3
  Top w0.15: U9.5 81.38,17.07 R49.1
Net-(U9-QG): length 2.2
  Top w0.15: U9.6 81.61,18.34 R50.1
Net-(U9-QH): length 2.1
  Top w0.15: R52.1 81.83,19.61 U9.7
Net-(U9-~{RCLR}): length 6
  Top w0.15: U9.13 73.98,15.8 C24.1 72.92,18.31 R61.2 74.21,19.61 U9.10
Net-(U10-QA): length 8.4
  Top w0.15: 74.73,23.85 76.19,23.85 v1(76.17,23.88) ; v1(79.17,21.69) 79.35,21.5 81.3,21.5 R53.1
  Bottom w0.15: v1(76.17,23.88) 76.63,23.88 78.81,21.69 v1(79.17,21.69)
Net-(U10-QB): length 1.8
  Top w0.15: U10.1 80.3,22.43 R54.1
Net-(U10-QC): length 1.8
  Top w0.15: R55.1 81.74,23.85 U10.2
Net-(U10-QD): length 1.9
  Top w0.15: U10.3 81.49,25.12 R56.1
Net-(U10-QE): length 2
  Top w0.15: U10.4 81.24,26.39 R57.1
Net-(U10-QF): length 2.1
  Top w0.15: U10.5 80.98,27.66 R58.1
Net-(U10-QG): length 2.2
  Top w0.15: U10.6 80.73,28.93 R59.1
Net-(U10-QH): length 2.4
  Top w0.15: R60.1 81.87,31.48 80.59,30.2 U10.7
Net-(U10-SER): length 8.7
  Top w0.15: 74.73,25.12 74.01,25.12 73.38,24.49 73.38,23.72 73.88,23.22 75.97,23.22 76.25,22.93 76.25,21.62 75.51,20.88 U9.9
Net-(U10-~{RCLR}): length 6.2
  Top w0.15: 74.73,30.2 74.03,30.2 R62.2 72.84,29.01 C25.1 74.01,26.39 74.73,26.39
Net-(U11-BOOT): length 1.8
  Top w0.5: C30.1 63.02,36.91 U11.1
Net-(U11-COMP): length 1.8
  Top w0.5: U11.6 66.97,42.55 C29.1
Net-(U11-SS): length 1.7
  Top w0.5: U11.4 69.32,36.91 C28.1

## Copper pours and planes (outline as drawn; the poured copper is in the pictures)
+3.3V on Top: 46.63,10.47 48.13,10.47 48.13,3.47 46.63,3.47
+5V_BUCK on Top: 62.94,60.78 62.95,54.53 69.45,54.53 69.45,57.03 75.45,57.03 75.45,61.03 62.95,61.03
+24V on Top: 38.2,10.43 40.21,10.43 40.21,3.43 38.2,3.43
+24V on Bottom: 82.95,36.9 85.95,36.85 85.95,49.03 53.95,49.03 53.95,52.53 49.45,52.53 49.45,46.15 82.95,46.15
+24V on Bottom: 11.22,8.54 -0.32,8.54 -0.27,77.6 56.33,77.32 56.38,47.52 49.56,47.53 49.55,64.77 11.22,64.77
+24V on Bottom: 32.53,62.45 32.53,65.03 34.45,65.03 34.45,62.45
/ESP/VBUSB on Top: 103.98,61.95 105.06,61.95 106.58,60.42 106.58,57.8 105.16,56.37 103.98,56.37 103.98,57.12 105.25,57.13 105.89,58.2 105.89,60.05 105.23,61.23 103.98,61.12 103.98,61.87 103.98,61.88
GND on Top, Bottom: 0.04,77.45 111.44,77.48 111.4,-0.02 0.06,-0.06
GND on Bottom: 6.45,50.53 11.7,50.53 11.7,47.78 6.45,47.78
/BBPDU_LV+ on Top: 43.85,70.53 43.85,68.03 39.71,68.03 39.63,53.53 40.95,53.53 40.95,48.03 37.45,48.03 37.45,70.53
/ELCON_LV+ on Top: 46.35,70.53 46.35,62.53 41.95,62.53 41.95,55.51 44.95,55.51 44.95,59.53 48.66,59.53 48.71,70.53
FUSED_+24V on Top: 92.45,43.53 96.45,43.53 96.45,38.88 107.95,38.88 107.95,36.53 96.45,36.53 96.45,24.53 107.95,24.53 107.95,22.03 92.45,22.03
Net-(D27-K) on Top: 64.7,38.28 64.7,46.03 69.2,46.03 69.2,50.53 61.7,50.53 61.7,38.28
Net-(IC1-SRC) on Bottom: 44.13,52.92 48.18,52.97 48.18,48.41 44.13,48.36
Net-(J18-Pin_1) on Top: 75.15,63.17 63.2,63.17 63.2,73.03 65.45,73.03 65.45,64.78 75.2,64.78 75.2,63.23

## Text on the board
F.Silkscreen: +3.3V_ESP | +5V_ESP | +24V | BattV | TACH | ArrV | PWM | Ctrl- | Sns- | GND | +3.3VA | Ctrl | Arr | Sns | ArrPre | + | - | HV+ | HV- | Strb- | L | CARCAN OUT | H | Estop1 | Estop2 | CARCAN IN | SHLD | +5V | Data | Bpdu | Elcn | CAN IN | CAN OUT | RESET | BOOT | Fan1 | Fan2 | Precharge | GNDA | +3.3V | BATT ESTOP | Strobe | Export MX150 | CAR_CAN | Indication | BPS CAN FUSE 2A | LSB | MSB | LowV | Fault | Heart | DEBUG | OverV | AmpIN | Chrging | Module / Fault | VTempIN | OverAmp | WatchdogErr | Elcon CAN Fuse(5A) | Logi | +5V_USB | +3V3_ESP | Elcon CAN | BPS_CANs | Craig / Gleason | BPS Leader | RevB
